# Altium PCB WX0.009.154PCB-4.2.PcbDoc (part 1 of 2)
Units mm, origin at the board's own origin, x right, y up, seen from the top; angles counter-clockwise.
Board outline 122.2 x 217 mm, 2 copper layers (Top Layer, Bottom Layer), stack 1.58 mm thick; 181 components, 142 nets, 624 pads, 569 vias.
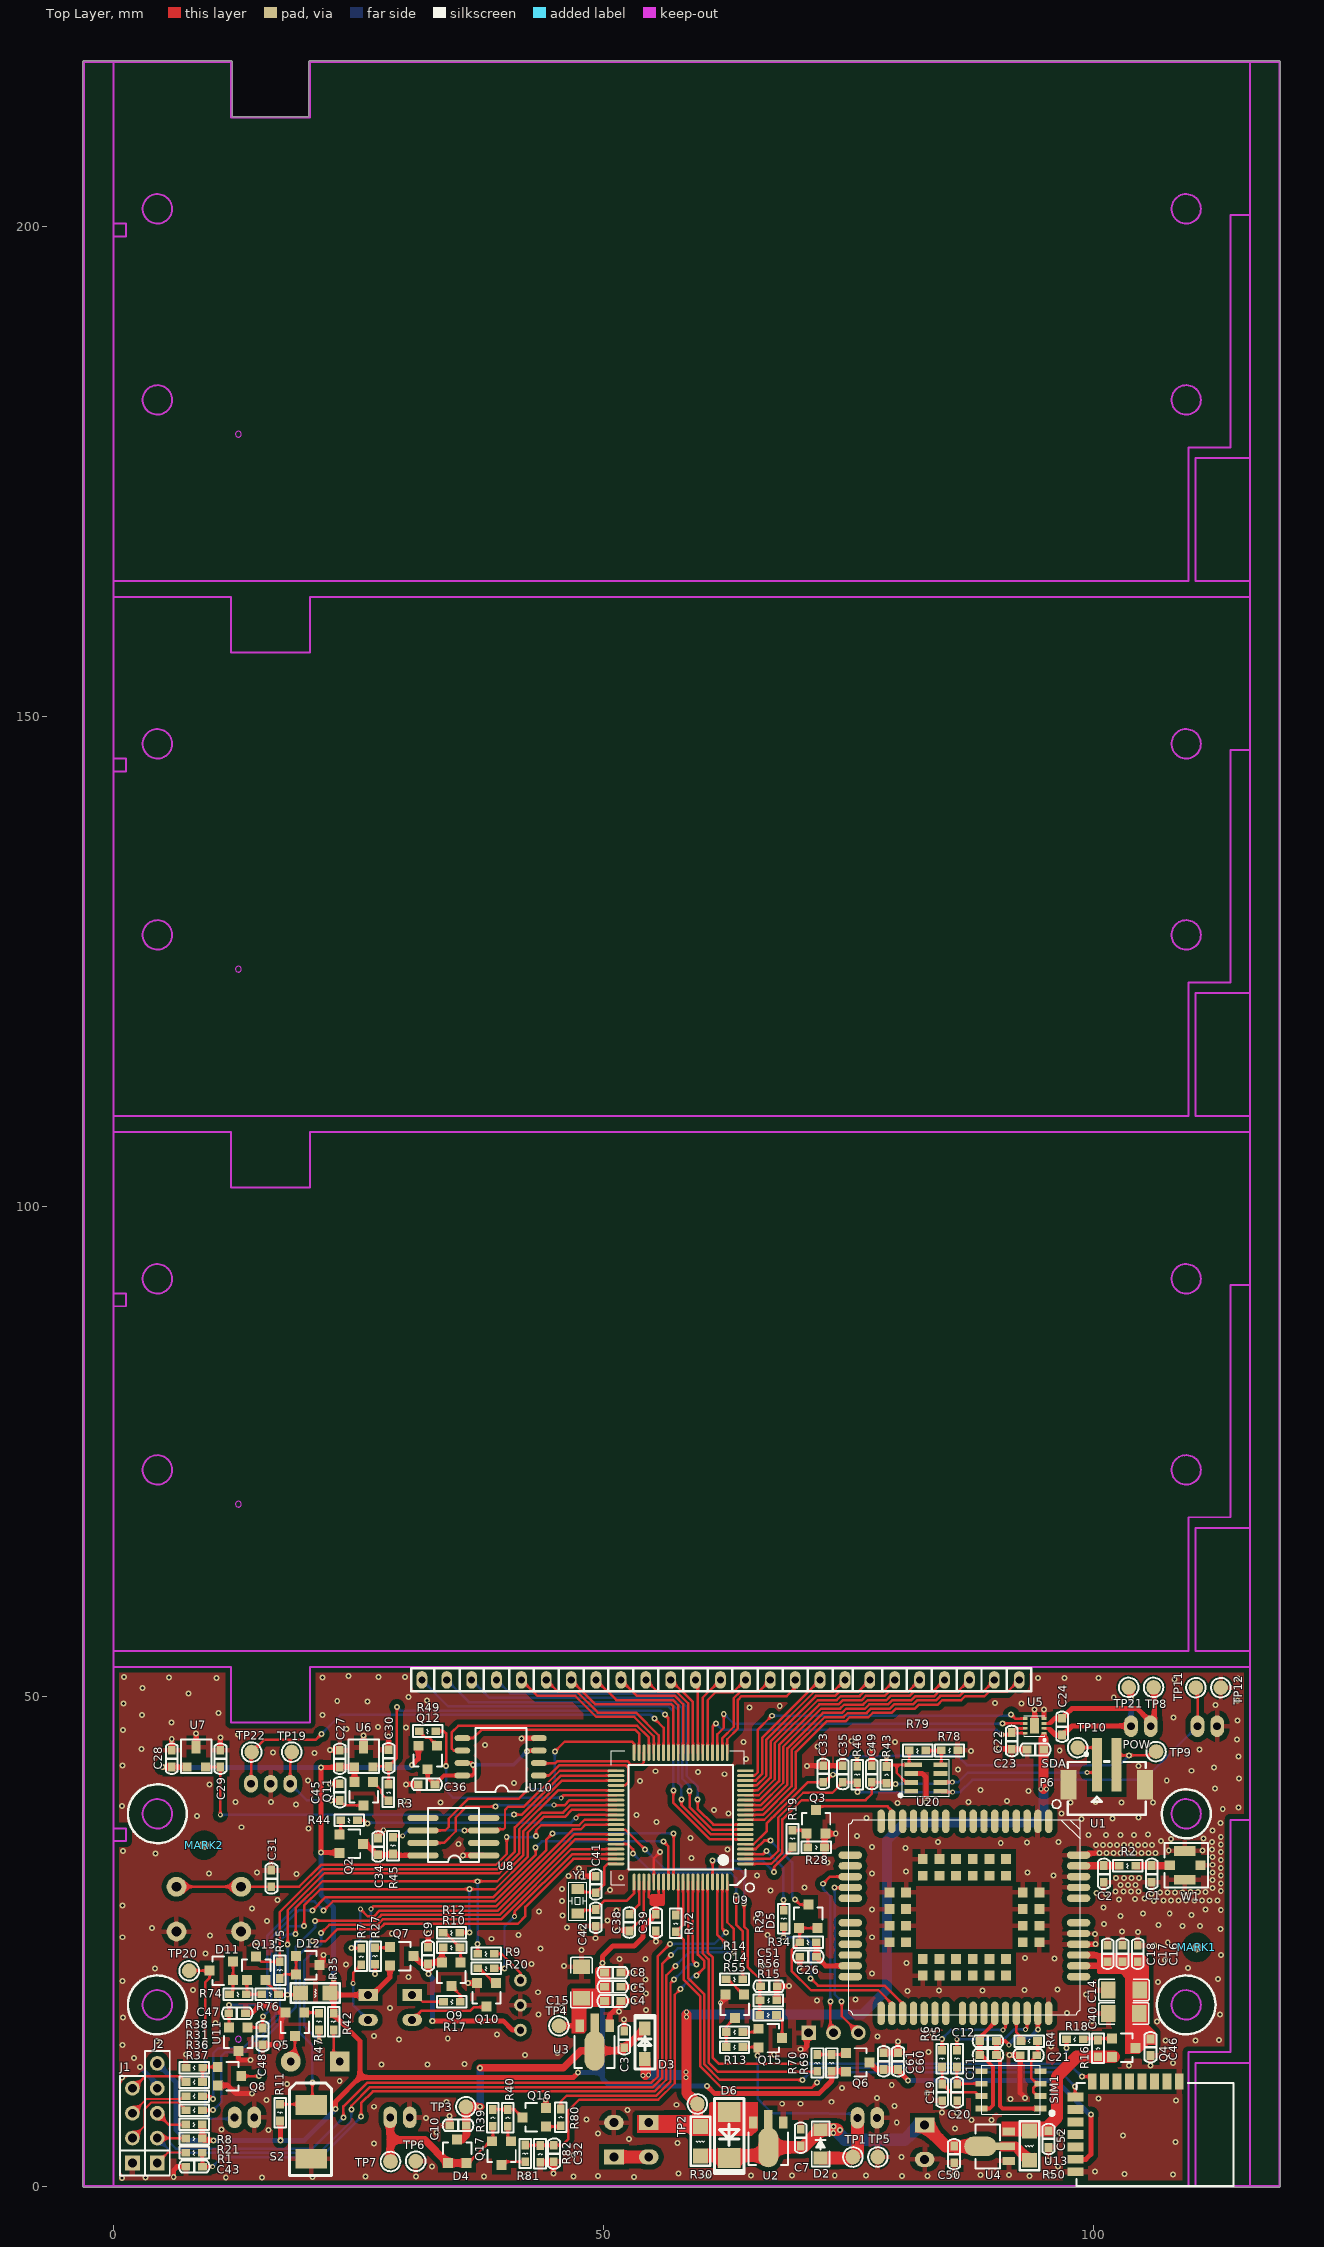
[diagram p0: Top Layer view]
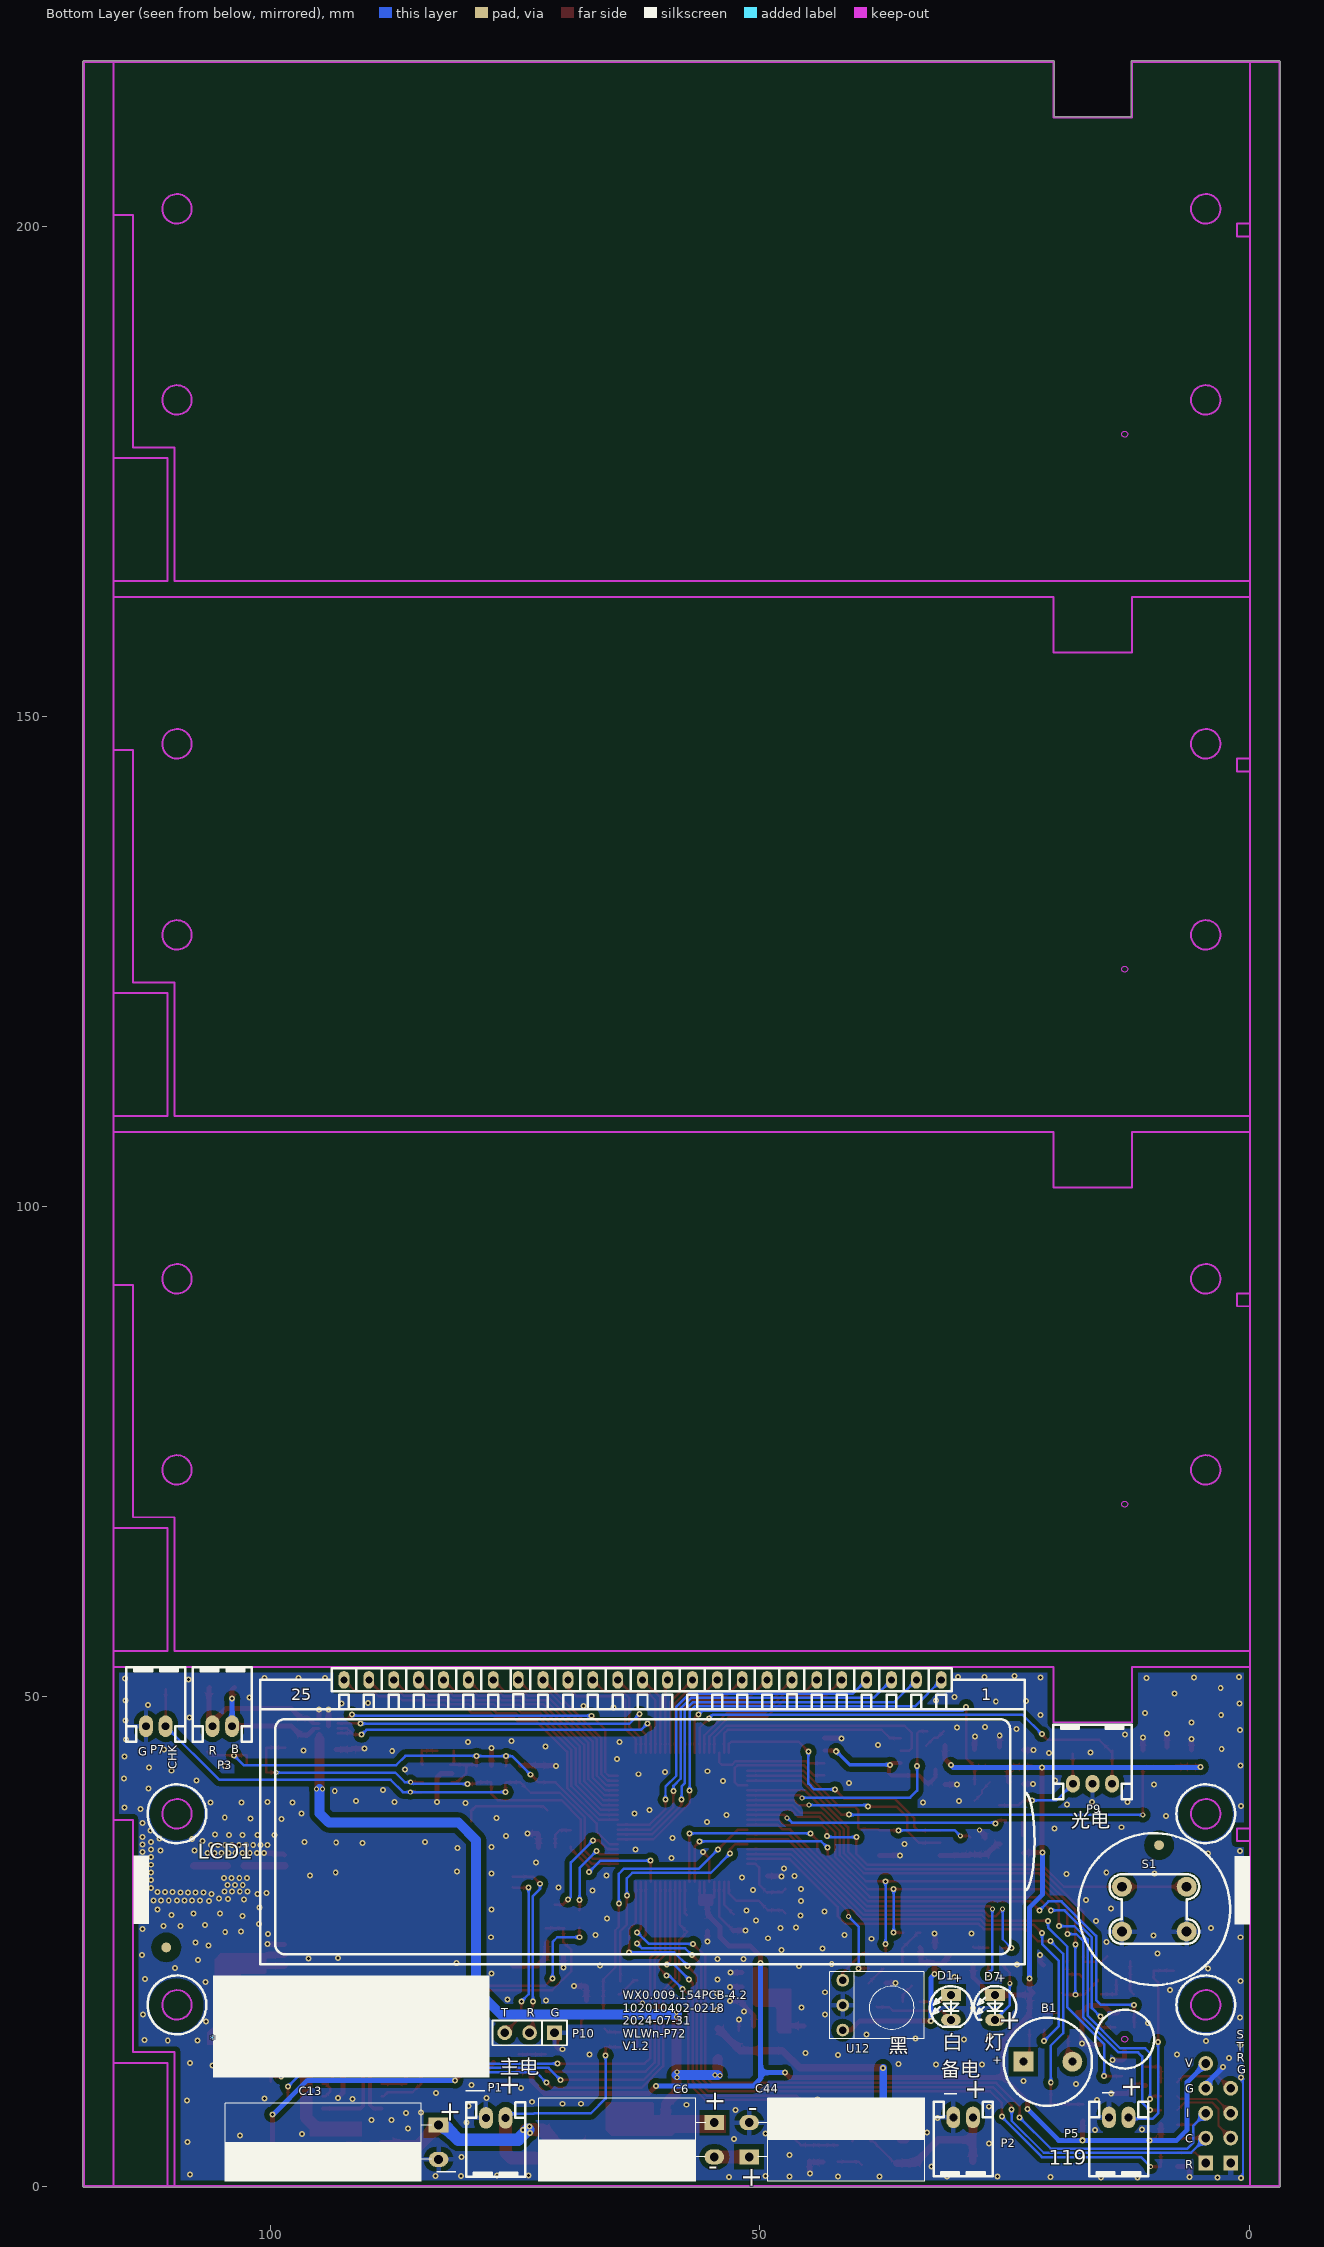
[diagram p1: Bottom Layer view, seen from below]

## Layer stack, top to bottom
Top Solder: solder mask 0.0102, Solder Resist, Dk 3.5
Top Layer: signal copper 0.0356
Dielectric 1: core 1.5086, FR-4, Dk 4.2
Bottom Layer: signal copper 0.0356
Bottom Solder: solder mask 0.0102, Solder Resist, Dk 3.5

## Board outline
-3.102,0 ccw(c-3,0) -3,-0.102 0,-0.102 cw(c0,0) -0.002,-0.102 0,-0.102 109.728,-0.102 109,-0.102 119,-0.102 ccw(c119,0) 119.102,0 119.102,216.8 ccw(c119,216.8) 119,216.902 116,216.902 20.059,216.902 ccw(c20.059,216.8) 19.957,216.8 19.957,211.202 12.128,211.202 12.128,216.8 ccw(c12.026,216.8) 12.026,216.902 0,216.902 ccw(c0,216.8) -0.003,216.902 -3,216.902 ccw(c-3,216.8) -3.102,216.8

## Design rules (kind name [scope] priority, off if disabled: settings)
Clearance VIA-VIA [ISVIA vs ISVIA] p1: gap=0.508 ignorepadtopadclearanceinfootprint=FALSE except(0: Arc-Hole Track-Hole SMDPad-Hole THPad-Hole Via-Hole Fill-Hole Poly-Hole Region-Hole Text-Hole)
Clearance VIA-PAD [ISVIA vs ISPAD] p2: gap=0.381 ignorepadtopadclearanceinfootprint=FALSE except(0: Arc-Hole Track-Hole SMDPad-Hole THPad-Hole Via-Hole Fill-Hole Poly-Hole Region-Hole Text-Hole)
Clearance VIA-TRACK [ISVIA vs ISTRACK] p3: gap=0.381 ignorepadtopadclearanceinfootprint=FALSE except(0: Arc-Hole Track-Hole SMDPad-Hole THPad-Hole Via-Hole Fill-Hole Poly-Hole Region-Hole Text-Hole)
Clearance Polygon [InPolygon] p4: gap=0.508 ignorepadtopadclearanceinfootprint=FALSE except(0: Arc-Hole Track-Hole SMDPad-Hole THPad-Hole Via-Hole Fill-Hole Poly-Hole Region-Hole Text-Hole)
Clearance [All] p5: gap=0.178 ignorepadtopadclearanceinfootprint=FALSE except(0: Arc-Hole Track-Hole SMDPad-Hole THPad-Hole Via-Hole Fill-Hole Poly-Hole Region-Hole Text-Hole)
ComponentClearance [All] p1 off: gap=0.254 collisioncheckmode=3 verticalgap=0.254 showdistances=FALSE
FabricationTestPointUsage TestPointUsage [All] p1: valid=0 allowmultiple=FALSE
FabricationTestpoint Testpoint [(IsPad And (OnTopLayer Or OnBottomLayer))] p1: side=3 testpointundercomponent=TRUE minsize=1.016 maxsize=2.54 preferedsize=1.524 minholesize=0 maxholesize=1.016 preferedholesize=0.813 testpointgrid=0.025 allowsidetop=TRUE allowsidebottom=TRUE usegrid=TRUE gridtolerance=0
HoleSize [All] p1 off: absolutevalues=TRUE maxlimit=7.62 minlimit=0 maxpercent=80.000 minpercent=20.000
HoleToHoleClearance [All] p1 off: gap=0.254 allowstackedmicrovias=TRUE
LayerPairs [All] p1 off: enforce=TRUE
MinimumSolderMaskSliver [All] p1 off: minsoldermaskwidth=0.254
NetAntennae [All] p1 off: netantennaetolerance=0
PlaneConnect [All] p1: planeconnectstyle=Relief reliefexpansion=0.508 reliefentries=4 reliefconductorwidth=0.508 reliefairgap=0.254
PolygonConnect PolygonConnect_2 [All vs InComponent('P6')] p1: connectstyle=Direct reliefconductorwidth=0.254 reliefentries=4 polygonreliefangle="90 Angle" airgapwidth=0.254
PolygonConnect [isvia] p2: connectstyle=Direct reliefconductorwidth=0.381 reliefentries=4 polygonreliefangle="90 Angle" airgapwidth=0.254
PolygonConnect PolygonConnect_1 [All] p3: connectstyle=Relief reliefconductorwidth=0.508 reliefentries=4 polygonreliefangle="90 Angle" airgapwidth=0.508
RoutingVias [All] p1: holewidth=0.254 width=0.508 viastyle="Through Hole" minholewidth=0.127 minwidth=0.127 maxholewidth=1.27 maxwidth=2.54
SilkToBoardRegionClearance [All] p1 off:
SilkToSilkClearance [All] p1 off: silktosilkclearance=0.254
SilkToSolderMaskClearance [IsPad] p1 off: minsilkscreentomaskgap=0.254 clearancetoexposedcopper=TRUE
SolderMaskExpansion [All] p1: expansion=0.102
Width [All] p1: maxlimit=7.62 minlimit=0.203 preferedwidth=0.203
18 further rules are at their usual default settings.

## Classes and differential pairs
component class WX0.009.152DL: * B1 C9 C27 C28 C29 C30 C31 C33 C35 C36 C38 C39 C41 C42 C43 C45 C47 C48 C49 D1 D7 D11 D12 J1 J2 LCD1 MARK1 MARK2 P5 P6 P7 P9 Q5 Q7 Q8 Q9 Q10 Q11 Q12 Q13 R1 R3 R7 R8 R9 R10 R12 R17 R20 R21 R27 R31 R35 R36 R37 R38 R42 R43 R46 R47 R49 R72 R74 R75 R76 R78 R79 S1 TP9 TP10 TP11 TP12 TP19 TP20 TP22 U6 U7 U9 U10 U11 U12 U20 Y1
component class WX0.009.153DL: C1 C2 C3 C4 C5 C6 C7 C8 C10 C11 C12 C13 C14 C15 C16 C17 C18 C19 C20 C21 C22 C23 C24 C26 C32 C34 C40 C44 C46 C50 C51 C52 C60 C61 D2 D3 D4 D5 D6 P1 P2 P3 P10 Q2 Q3 Q4 Q6 Q14 Q15 Q16 Q17 R2 R4 R5 R6 R11 R13 R14 R15 R16 R18 R19 R28 R29 R30 R34 R39 R40 R44 R45 R50 R55 R56 R69 R70 R80 R81 R82 S2 SIM1 TP1 TP2 TP3 TP4 TP5 TP6 TP7 TP8 TP21 U1 U2 U3 U4 U5 U8 U13 W1

## Components (designator, comment, footprint, x,y, rotation, side; value= is the part's Value field where it differs from the comment)
* "Bar Code1" "Bar Code1" 105.816,15.011 r180 bottom
B1 "HYT-0903" HYT-0903 23.114,12.7 r180 bottom
C1 "NC" CAP0603 105.969,31.033 r90 top
C2 "NC" CAP0603 101.092,31.033 r90 top
C3 "10uF/10V" CAP0603 52.146,14.148 r90 top
C4 "10uF/10V" CAP0603 50.14,18.898 r0 top
C5 "100nF/50V" CAP0603 50.14,20.345 r0 top
C6 "1F/2.75V" CAPPC_350_800_1600R 56.561,8.983 r90 bottom
C7 "100nF/50V" CAP0603 70.155,4.115 r90 top
C8 "22pF/50V" CAP0603 50.14,21.793 r0 top
C9 "100nF/50V" CAP0603 32.131,24.359 r270 top
C10 "100nF/50V" CAP0603 36.017,6.198 r180 top
C11 "100nF/50V" CAP0603 88.443,13.388 r0 top
C12 "33pF/50V" CAP0603 88.443,14.81 r0 top
C13 "1000uF/16V" CAPPC_500_800_2000R 82.804,4.483 r270 bottom locked
C14 "100uF/6.3V" GRM1206 103.149,20.015 r90 top
C15 "100uF/6.3V" GRM1206 47.777,20.777 r0 top
C16 "100nF/50V" CAP0603 104.546,22.898 r90 top
C17 "33pF/50V" CAP0603 102.997,22.898 r90 top
C18 "10pF/50V" CAP0603 101.473,22.898 r90 top
C19 "33pF/50V" CAP0603 84.611,10.417 r270 top
C20 "33pF/50V" CAP0603 86.128,10.417 r270 top
C21 "33pF/50V" CAP0603 94.243,13.363 r180 top
C22 "100nF/50V" CAP0603 91.694,44.598 r90 top
C23 "100nF/50V" CAP0603 93.269,44.573 r0 top
C24 "100nF/50V" CAP0603 96.825,46.05 r90 top
C26 "1uF/16V" CAP0603 71.755,23.419 r180 top
C27 "1uF/16V" CAP0603 23.114,42.799 r90 top
C28 "1uF/16V" CAP0603 5.969,42.799 r90 top
C29 "1nF/50V" CAP0603 10.922,42.799 r90 top
C30 "1nF/50V" CAP0603 28.092,42.85 r90 top
C31 "100nF/50V" CAP0603 16.129,30.569 r90 top
C32 "10pF/50V" CAP0603 44.96,2.489 r90 top
C33 "100nF/50V" CAP0603 72.466,42.901 r270 top
C34 "100nF/50V" CAP0603 27.026,33.833 r90 top
C35 "100nF/50V" CAP0603 74.447,41.224 r90 top
C36 "100nF/50V" CAP0603 32.817,40.996 r180 top
C38 "100nF/50V" CAP0603 52.68,27.737 r270 top
C39 "100nF/50V" CAP0603 55.372,26.06 r90 top
C40 "100uF/6.3V" GRM1206 103.124,17.602 r90 top
C41 "12pF/50V" CAP0603 49.251,31.623 r270 top
C42 "12pF/50V" CAP0603 49.251,28.219 r270 top
C43 "33pF/50V" CAP0603 9.093,1.981 r180 top
C44 "1F/2.75V" CAPPC_350_800_1600R 49.195,0.483 r270 bottom locked
C45 "1uF/16V" CAP0603 23.114,39.37 r90 top
C46 "1uF/16V" CAP0603 105.867,15.011 r270 top
C47 "1nF/50V" CAP0603 11.811,17.653 r0 top
C48 "1uF/16V" CAP0603 15.24,16.129 r270 top
C49 "33pF/50V" CAP0603 77.411,41.224 r90 top
C50 "100nF/50V" CAP0603 85.827,4.089 r270 top
C51 "10pF/50V" CAP0603 67.742,20.396 r180 top
C52 "1uF/16V" CAP0603 95.453,5.639 r270 top
C60 "1uF/16V" CAP0603 80.086,11.913 r90 top
C61 "10uF/10V" CAP0603 78.613,11.913 r90 top
D1 "IR204C-A" IR_254_532_300 30.505,19.507 r180 bottom
D2 "DS36W" SOD-123FL#1 72.187,2.788 r90 top
D3 "DS12W" SOD-123FL#2 54.254,12.979 r90 top
D4 "BAT54CLT1" SOT-23#1 35.103,3.556 r0 top
D5 "BAT54CLT1" SOT-23#1 70.936,27.534 r0 top
D6 "SS12" DO-214AC 62.865,5.232 r270 top
D7 "LED_T3R" LED2_300 26.01,19.507 r180 bottom
D11 "BAT54CLT1" SOT-23#1 11.024,21.996 r90 top
D12 "BAT54CLT1" SOT-23#1 19.863,22.555 r270 top
J1 "PIN254_1*4*WXHJ" PIN254_1*4*WXHJ 1.956,2.362 r90 top
J2 "PIN254_1*5*WXHJ" PIN254_1*5*WXHJ 4.496,2.362 r90 top
LCD1 "GVH26634A-HPP" PCBComponent_1 61.976,51.664 r180 bottom locked
MARK1 "MARK" MARK 110.592,24.359 r90 top
MARK2 "MARK" MARK 9.271,34.798 r90 top
P1 "PH200_1*2R" PH200_1*2R 76.962,6.96 r180 bottom
P2 "PH200_1*2R" PH200_1*2R 29.261,7.01 r180 bottom
P3 "PH200_1*2R" PH200_1*2R 104.877,46.939 r0 bottom
P5 "PH200_1*2R" PH200_1*2R 13.386,7.01 r180 bottom
P6 "PH200_1*2R" "PCBComponent_1 - duplicate" 101.397,41.986 r270 top
P7 "PH200_1*2R" PH200_1*2R 111.658,46.939 r0 bottom
P9 "PH200_1*3R" PH200_1*3R 18.059,41.072 r0 bottom locked
P10 "模块调试" PIN254_1*3*WXHJ 76.048,15.646 r0 bottom
Q2 "PNPS-9012" SOT-23#1 24.308,34.929 r270 top
Q3 "NPNS-9013" SOT-23#1 71.724,37.186 r0 top
Q4 "UT3401ZG" SOT-23#1 103.124,14.116 r270 top
Q5 "NPNS-9013" SOT-23#1 18.542,16.51 r180 top
Q6 "UT3401ZG" SOT-23#1 75.971,12.624 r270 top
Q7 "PNPS-9012" SOT-23#1 29.439,23.47 r270 top
Q8 "NPNS-9013" SOT-23#1 11.862,11.227 r270 top
Q9 "PNPS-9012" SOT-23#1 34.503,21.641 r180 top
Q10 "NPNS-9013" SOT-23#1 38.09,19.533 r180 top
Q11 "PNPS-9012" SOT-23#1 25.552,40.053 r180 top
Q12 "PNPS-9012" SOT-23#1 32.086,43.747 r180 top
Q13 "PNPS-9012" SOT-23#1 14.58,22.242 r0 top
Q14 "NPNS-9013" SOT-23#1 63.439,18.364 r180 top
Q15 "PNPS-9012" SOT-23#1 67.059,15.113 r270 top
Q16 "NPNS-9013" SOT-23#1 42.951,7.026 r90 top
Q17 "PNPS-9012" SOT-23#1 39.626,3.378 r180 top
R1 "100R 5%" RES0603 9.09,3.421 r180 top
R2 "0R 5%" RES0603 104.369,32.69 r180 top
R3 "3K 5%" RES0603 28.092,41.021 r270 top
R4 "22R 5%" RES0603 92.634,14.81 r0 top
R5 "22R 5%" RES0603 86.103,12.163 r90 top
R6 "22R 5%" RES0603 84.585,12.163 r90 top
R7 "1K 5%" RES0603 25.298,24.282 r270 top
R8 "10K 5%" RES0603 9.09,6.289 r180 top
R9 "51R 5%" RES0603 38.887,23.724 r180 top
R10 "10K 5%" RES0603 35.382,24.359 r180 top
R11 "1M 5%" RES0603 17.018,6.655 r90 top
R12 "1K 5%" RES0603 35.357,25.857 r180 top
R13 "10K 5%" RES0603 62.56,14.199 r0 top
R14 "3K 5%" RES0603 64.237,21.107 r180 top
R15 "330K 5%" RES0603 67.687,17.475 r180 top
R16 "2M 5%" RES0603 100.508,14.913 r270 top
R17 "220R 5%" RES0603 33.706,18.821 r0 top
R18 "200K 5%" RES0603 97.282,14.99 r0 top
R19 "3K 5%" RES0603 69.317,34.62 r90 top
R20 "1K 5%" RES0603 38.887,22.225 r180 top
R21 "10K 5%" RES0603 9.09,4.855 r180 top
R27 "3K 5%" RES0603 26.721,22.631 r90 top
R28 "1K 5%" RES0603 72.593,34.569 r180 top
R29 "1K 5%" RES0603 68.428,26.467 r90 top
R30 "0R 5%" RES1206 59.919,3.073 r90 top
R31 "3K 5%" RES0603 7.413,10.617 r0 top
R34 "20K 5%" RES0603 71.755,24.892 r180 top
R35 "0R 5%" RES1206 22.123,19.71 r180 top
R36 "1K 5%" RES0603 7.413,9.183 r0 top
R37 "1K 5%" RES0603 7.413,7.749 r0 top
R38 "1K 5%" RES0603 7.417,12.09 r0 top
R39 "10K 5%" RES0603 38.737,7.823 r270 top
R40 "10K 5%" RES0603 40.261,7.823 r270 top
R42 "51R 5%" RES0603 22.49,15.94 r90 top
R43 "5.1K 5%" RES0603 78.918,42.834 r270 top
R44 "3K 5%" RES0603 24.917,37.338 r180 top
R45 "20K 5%" RES0603 28.541,33.903 r90 top
R46 "5.1K 5%" RES0603 75.929,41.157 r90 top
R47 "3K 5%" RES0603 20.991,15.94 r90 top
R49 "3K 5%" RES0603 32.918,46.431 r180 top
R50 "0R 5%" RES1206 93.497,2.642 r90 top
R55 "10K 5%" RES0603 62.56,15.723 r0 top
R56 "220K 5%" RES0603 66.011,18.961 r0 top
R69 "2M 5%" RES0603 73.304,11.735 r90 top
R70 "200K 5%" RES0603 71.857,11.735 r90 top
R72 "1K 5%" RES0603 57.404,27.661 r270 top
R74 "3K 5%" RES0603 13.564,19.583 r180 top
R75 "100K 5%" RES0603 16.993,21.195 r90 top
R76 "10K 5%" RES0603 16.866,19.583 r180 top
R78 "10K 5%" RES0603 84.506,44.475 r0 top
R79 "10K 5%" RES0603 82.931,44.45 r180 top
R80 "3K 5%" RES0603 45.669,7.874 r270 top
R81 "330K 5%" RES0603 42.039,2.489 r90 top
R82 "220K 5%" RES0603 43.563,4.14 r270 top
S1 "SWT_4_600_600_430" SWT_4_600_600 9.754,28.27 r0 bottom locked
S2 "SWS_2_520_300_300" SWS_2_520_300 20.193,8.28 r90 top
SIM1 "SIMIC" SIMIC 88.621,12.319 r270 top
TP1 "TEST-PAD" TEST-PAD 75.489,2.972 r0 top locked
TP2 "TEST-PAD" TEST-PAD 59.614,8.382 r0 top
TP3 "TEST-PAD" TEST-PAD 35.992,8.103 r0 top
TP4 "TEST-PAD" TEST-PAD 45.491,16.358 r0 top
TP5 "TEST-PAD" TEST-PAD 78.029,2.972 r0 top locked
TP6 "TEST-PAD" TEST-PAD 30.861,2.54 r0 top
TP7 "TEST-PAD" TEST-PAD 28.296,2.515 r0 top
TP8 "TEST-PAD" TEST-PAD 106.172,50.902 r0 top locked
TP9 "TEST-PAD" TEST-PAD 106.426,44.348 r0 top
TP10 "TEST-PAD" TEST-PAD 98.425,44.755 r90 top
TP11 "TEST-PAD" TEST-PAD 110.49,50.876 r90 top
TP12 "TEST-PAD" TEST-PAD 113.03,50.876 r0 top
TP19 "TEST-PAD" TEST-PAD 18.212,44.298 r90 top
TP20 "TEST-PAD" TEST-PAD 7.747,21.971 r90 top
TP21 "TEST-PAD" TEST-PAD 103.632,50.902 r90 top locked
TP22 "TEST-PAD" TEST-PAD 14.122,44.298 r90 top
U1 "BC95B5JC-02-STD" BC95B5JB-02-STD 86.868,27.432 r270 top locked
U2 "S-1206B50-U3" SOT-89#1 68.377,6.496 r180 top
U3 "S-1206B33-U3T1G" SOT-89#1 50.648,16.358 r180 top
U4 "CE6232A33P" SOT-89#2 90.5,4.064 r90 top
U5 "DRV8837DSGR" S-PWSON-N8 94.031,46.973 r180 top
U6 "S-5712ACDL1" SOT-23#2 25.552,43.663 r0 top locked
U7 "S-5712ACDL1" SOT-23#2 8.458,43.663 r0 top locked
U8 "ESAM" SOP-8L-200MIL#1 38.608,33.757 r180 top
U9 "FM33LG0x8" LQFP80 57.912,37.643 r180 top locked
U10 "GD25VQ80CSIG" SOP-8L-200MIL#2 43.434,41.91 r180 top
U11 "S-5712ACDL1" SOT-23#1 12.77,15 r180 top locked
U12 "IRM-3638J7" IRM-3638J7 41.554,18.466 r180 bottom locked
U13 "DB809S" DB809S 103.505,6.071 r90 top locked
U20 "07_HP303B" HP303B 82.931,41.656 r0 top
W1 "ANT-IPEX" ANT-IPEX 107.823,32.741 r270 top
Y1 "32.768kD" SMD-3215_2P 47.396,27.838 r90 top
